# KiCad board panel.kicad_pcb (continued)
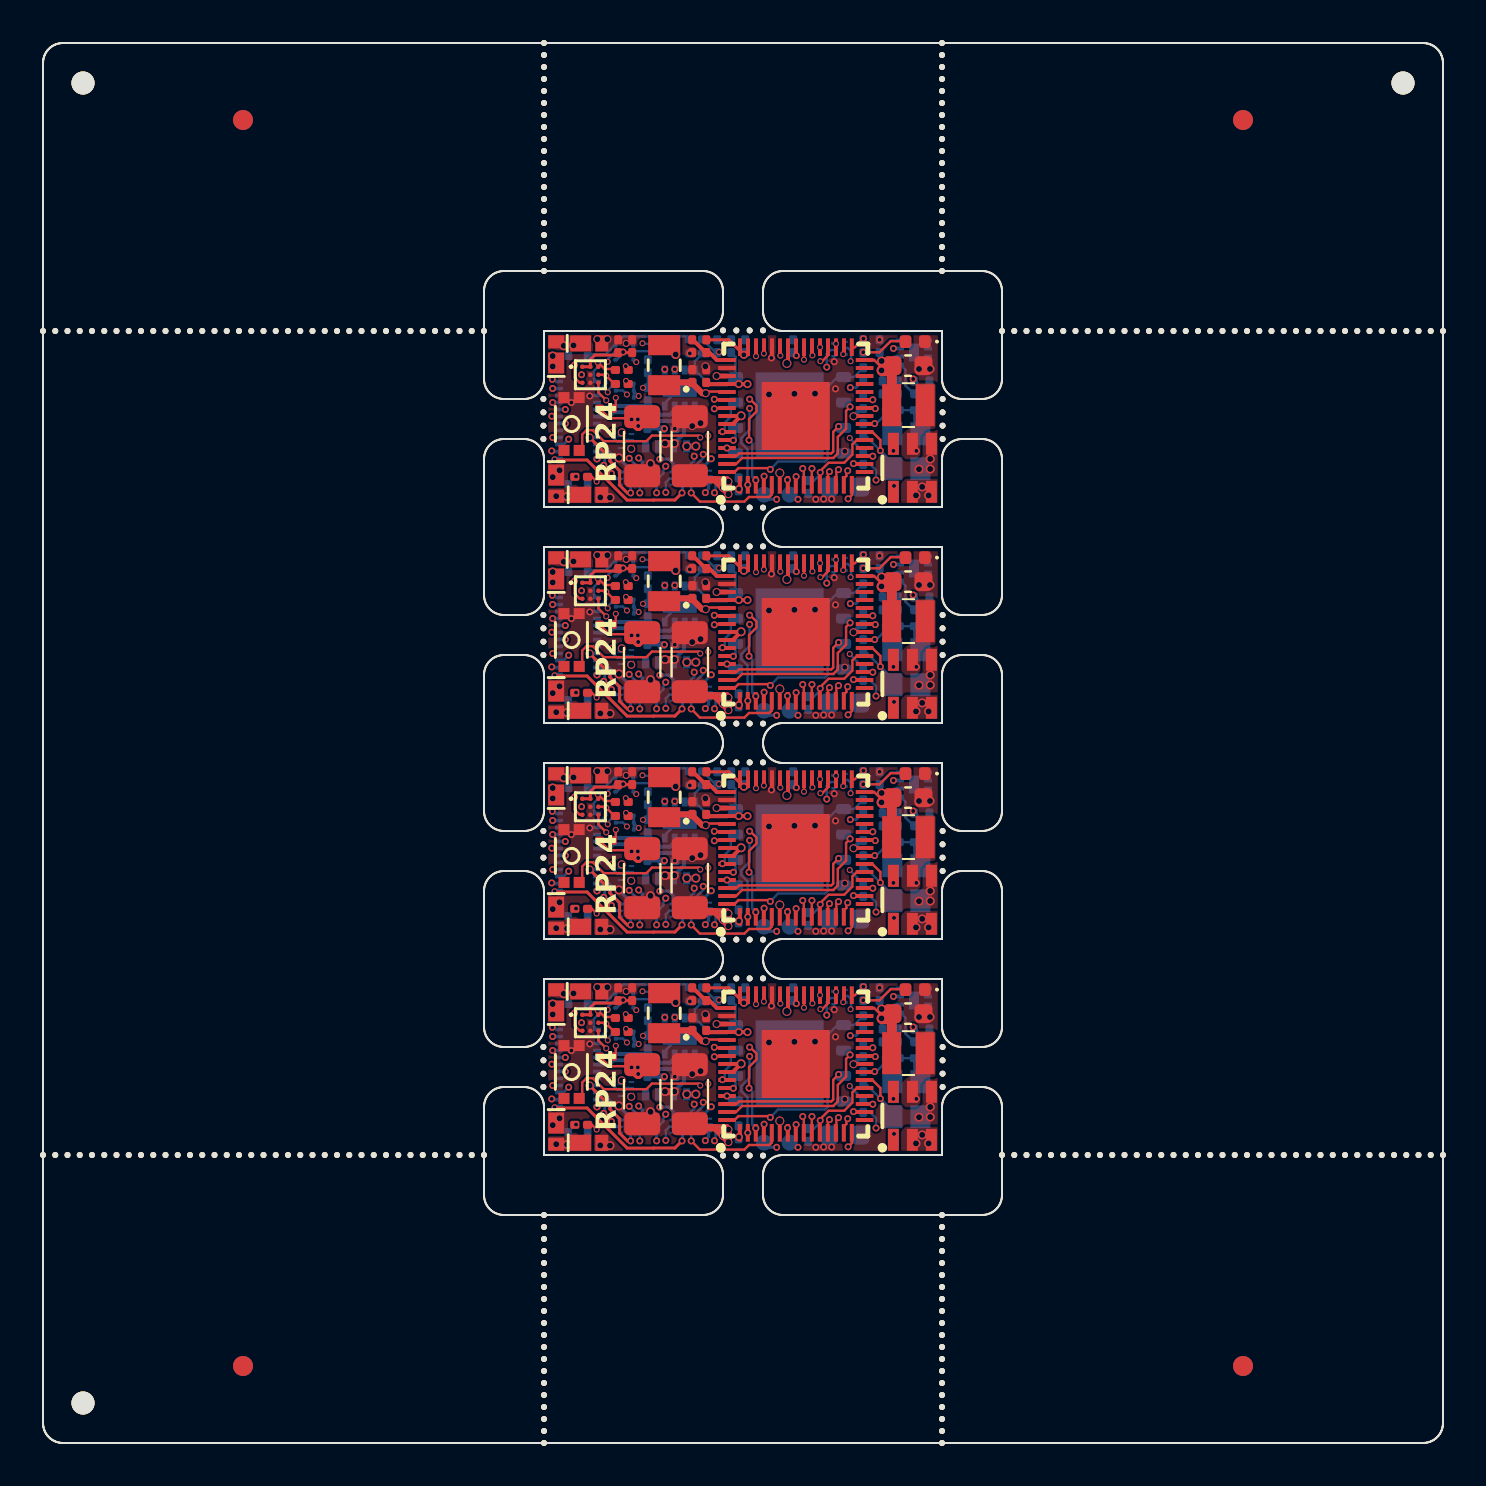
[diagram p0: board, top side]
## Nets (continued)
Board_2-GND: C1.1 C2#4.2 C3#3.2 C5#3.2 C6#2.2 C7#2.2 C8.2 C9.2 C10#4.2 C11#2.2 C12#4.1 C13#4.2 C14#3.2 C15#2.2 C16#3.2 C21#4.2 C27.2 C28#2.2 C29#2.2 D1.2 D2#3.2 D7#4.1 J1#3.3 J1#3.22 Q1.1 Q1.4 Q3#2.1 Q3#2.4 Q4#4.1 Q4#4.4 Q5#2.1 Q5#2.4 Q6#2.1 Q6#2.4 Q8#4.1 R2.2 R4.2 R8#4.1 R12#2.1 R14#4.1 SW1#4.3 SW1#4.4 U1#2.4 U2.4 U3#2.4 U3#2.9 U4#2.41 U4#2.47 U4#2.61 U5#3.B2 U5#3.C2 U6.4 U6.9 Y1#3.2 Y1#3.4
Board_2-Net-(C3-Pad1): C3#3.1 R6#4.1 Y1#3.1
Board_2-Net-(D7-A): D7#4.2 R9.1
Board_2-Net-(Q1A-G1): Q1.2 R7#3.1 R8#4.2
Board_2-Net-(Q1B-G2): Q1.5 U1#2.7
Board_2-Net-(Q7A-B1): Q7.1 Q7.2 Q7.3 R17#3.1
Board_2-Net-(Q7B-B2): Q7.5 Q8#4.3 R18#2.1
Board_2-Net-(Q7B-E2): Q7.4 Q8#4.5 R19#4.2
Board_2-Net-(Q8A-B1): Q8#4.2 R17#3.2
Board_2-Net-(R5-Pad2): R5#2.2 SW1#4.2
Board_2-Net-(U2-BST): C4#2.1 U2.6
Board_2-Net-(U4-GPIO19): R9.2 U4#2.31
Board_2-Net-(U4-VREG_AVDD): C16#3.1 R15#4.1 U4#2.46
Board_2-Net-(U4-VREG_LX): L2#3.1 U4#2.48
Board_2-unconnected-(SW1-Pad1): SW1#4.1
Board_2-unconnected-(U1-EP-Pad9): U1#2.9
Board_2-unconnected-(U1-IN+1-Pad3): U1#2.3
Board_2-unconnected-(U1-IN−1-Pad2): U1#2.2
Board_2-unconnected-(U1-OUT1-Pad1): U1#2.1
Board_2-unconnected-(U4-GPIO12-Pad16): U4#2.16
Board_2-unconnected-(U4-GPIO15-Pad19): U4#2.19
Board_2-unconnected-(U4-GPIO16-Pad27): U4#2.27
Board_2-unconnected-(U4-GPIO17-Pad28): U4#2.28
Board_2-unconnected-(U4-GPIO18-Pad29): U4#2.29
Board_2-unconnected-(U4-RUN-Pad26): U4#2.26
Board_2-VDC: D3#3.1 D4#4.1 D5#3.2 J1#3.17 R1.1
Board_3-+1V1: C10#3.1 C11.1 L2#4.2 U4#3.6 U4#3.23 U4#3.39 U4#3.50
Board_3-+3.3V: C1#4.2 C5#2.1 C7.1 C8#4.1 C9#4.1 C12.2 C13#2.1 C14#2.1 C15#3.1 C27#4.1 C28#3.1 C29#4.1 J1#2.18 L1#3.2 Q8#2.4 R3#3.1 R15.2 R19#3.1 U1#4.8 U2#3.1 U3.8 U4#3.1 U4#3.11 U4#3.20 U4#3.30 U4#3.38 U4#3.44 U4#3.45 U4#3.49 U4#3.53 U4#3.54 U5#2.A1 U5#2.A2 U6#4.7 U6#4.8
Board_3-/ADC_EMF_A: R11#2.1 R12#4.2 U4#3.42
Board_3-/ADC_EMF_B: R13#3.1 R14#3.2 U4#3.43
Board_3-/AUX1 (VDC): J1#2.11 Q3#3.6
Board_3-/AUX2 (VDC): J1#2.12 Q3#3.3
Board_3-/AUX3: J1#2.21 U4#3.18
Board_3-/AUX4: J1#2.20 U4#3.17
Board_3-/AUX5 (VDC): J1#2.16 Q6.6
Board_3-/AUX6 (VDC): J1#2.15 Q5#4.6
Board_3-/AUX7 (VDC): J1#2.14 Q6.3
Board_3-/AUX8 (VDC): J1#2.13 Q5#4.3
Board_3-/AUX10: J1#2.19 U4#3.14
Board_3-/AUX11: J1#2.23 U4#3.2
Board_3-/AUX12: J1#2.24 U4#3.3
Board_3-/CAP+: D6#3.2 J1#2.8 Q2#3.1 Q2#3.4
Board_3-/CAP_ENABLE: Q1#2.3 Q2#3.2 Q2#3.5 U4#3.32
Board_3-/CAP_VDC: C2.1 C21#3.1 D5.1 D6#3.1 Q2#3.3 Q2#3.6 U2#3.2 U2#3.3 U6#4.1
Board_3-/COMP_N: R3#3.2 R4#2.1 U1#4.6
Board_3-/COMP_P: R1#2.2 R2#4.1 U1#4.5
Board_3-/GPIO2: Q6.2 U4#3.4
Board_3-/GPIO3: Q6.5 U4#3.5
Board_3-/GPIO4: Q5#4.5 U4#3.7
Board_3-/GPIO5: Q3#3.5 U4#3.8
Board_3-/GPIO6: Q4#3.5 U4#3.9
Board_3-/GPIO7: Q4#3.2 U4#3.10
Board_3-/GPIO8: Q3#3.2 U4#3.12
Board_3-/GPIO9: Q5#4.2 U4#3.13
Board_3-/GPIO21: Q1#2.6 U4#3.33
Board_3-/GPIO25: U4#3.37 U6#4.6
Board_3-/GPIO26: U4#3.40 U6#4.5
Board_3-/I2S_BCLK: U4#3.36 U5#2.C1
Board_3-/I2S_DIN: U4#3.35 U5#2.B1
Board_3-/I2S_LRCLK: U4#3.34 U5#2.C3
Board_3-/LAMP_FRONT: J1#2.9 Q4#3.3
Board_3-/LAMP_REAR: J1#2.10 Q4#3.6
Board_3-/MOTOR_A: J1#2.6 J1#2.7 R11#2.2 U6#4.2
Board_3-/MOTOR_B: J1#2.4 J1#2.5 R13#3.2 U6#4.3
Board_3-/QSPI_CS: R5#4.1 U3.1 U4#3.60
Board_3-/QSPI_SCLK: U3.6 U4#3.56
Board_3-/QSPI_SD0: U3.5 U4#3.57
Board_3-/QSPI_SD1: U3.2 U4#3.59
Board_3-/QSPI_SD2: U3.3 U4#3.58
Board_3-/QSPI_SD3: U3.7 U4#3.55
Board_3-/RC_TX: R18.2 U4#3.15
Board_3-/SPEAKER_N: J1#2.2 R16#2.1 U5#2.B3
Board_3-/SPEAKER_P: J1#2.1 R10#4.1 U5#2.A3
Board_3-/SWCLK: J3.1 U4#3.24
Board_3-/SWDIO: J2#3.1 U4#3.25
Board_3-/SWITCH: C4.2 L1#3.1 U2#3.5
Board_3-/TRACK_LEFT: D1#4.1 D3#2.2 J1#2.X1A J1#2.X1B Q8#2.6 R7#2.2
Board_3-/TRACK_RIGHT: D2#2.1 D4.2 J1#2.X2A J1#2.X2B Q7#4.6
Board_3-/USB_N: R16#2.2 U4#3.52
Board_3-/USB_P: R10#4.2 U4#3.51
Board_3-/XIN: C6#3.1 U4#3.21 Y1#2.3
Board_3-/XOUT: R6#3.2 U4#3.22
Board_3-GND: C1#4.1 C2.2 C3.2 C5#2.2 C6#3.2 C7.2 C8#4.2 C9#4.2 C10#3.2 C11.2 C12.1 C13#2.2 C14#2.2 C15#3.2 C16#2.2 C21#3.2 C27#4.2 C28#3.2 C29#4.2 D1#4.2 D2#2.2 D7.1 J1#2.3 J1#2.22 Q1#2.1 Q1#2.4 Q3#3.1 Q3#3.4 Q4#3.1 Q4#3.4 Q5#4.1 Q5#4.4 Q6.1 Q6.4 Q8#2.1 R2#4.2 R4#2.2 R8.1 R12#4.1 R14#3.1 SW1.3 SW1.4 U1#4.4 U2#3.4 U3.4 U3.9 U4#3.41 U4#3.47 U4#3.61 U5#2.B2 U5#2.C2 U6#4.4 U6#4.9 Y1#2.2 Y1#2.4
Board_3-Net-(C3-Pad1): C3.1 R6#3.1 Y1#2.1
Board_3-Net-(D7-A): D7.2 R9#4.1
Board_3-Net-(Q1A-G1): Q1#2.2 R7#2.1 R8.2
Board_3-Net-(Q1B-G2): Q1#2.5 U1#4.7
Board_3-Net-(Q7A-B1): Q7#4.1 Q7#4.2 Q7#4.3 R17#4.1
Board_3-Net-(Q7B-B2): Q7#4.5 Q8#2.3 R18.1
Board_3-Net-(Q7B-E2): Q7#4.4 Q8#2.5 R19#3.2
Board_3-Net-(Q8A-B1): Q8#2.2 R17#4.2
Board_3-Net-(R5-Pad2): R5#4.2 SW1.2
Board_3-Net-(U2-BST): C4.1 U2#3.6
Board_3-Net-(U4-GPIO19): R9#4.2 U4#3.31
Board_3-Net-(U4-VREG_AVDD): C16#2.1 R15.1 U4#3.46
Board_3-Net-(U4-VREG_LX): L2#4.1 U4#3.48
Board_3-unconnected-(SW1-Pad1): SW1.1
Board_3-unconnected-(U1-EP-Pad9): U1#4.9
Board_3-unconnected-(U1-IN+1-Pad3): U1#4.3
Board_3-unconnected-(U1-IN−1-Pad2): U1#4.2
Board_3-unconnected-(U1-OUT1-Pad1): U1#4.1
Board_3-unconnected-(U4-GPIO12-Pad16): U4#3.16
Board_3-unconnected-(U4-GPIO15-Pad19): U4#3.19
Board_3-unconnected-(U4-GPIO16-Pad27): U4#3.27
Board_3-unconnected-(U4-GPIO17-Pad28): U4#3.28
Board_3-unconnected-(U4-GPIO18-Pad29): U4#3.29
Board_3-unconnected-(U4-RUN-Pad26): U4#3.26
Board_3-VDC: D3#2.1 D4.1 D5.2 J1#2.17 R1#2.1

## Via types
v1: diameter 0.4, hole 0.3, Top to Bottom, 56 vias
v2: diameter 0.45, hole 0.35, Top to Bottom, 8 vias
v3: diameter 0.35, hole 0.2, Top to Bottom, 344 vias
v4: diameter 0.4, hole 0.25, Top to Bottom, 16 vias
v5: diameter 0.45, hole 0.3, Top to Bottom, 124 vias
v6: diameter 0.3, hole 0.2, Top to Bottom, 136 vias
v7: diameter 0.35, hole 0.25, Top to Bottom, 8 vias

## Routing (per net, layer and track width the routed paths; a pad name or vN(x,y) marks a point on that pad's centre or on a via; arc(x,y) is an arc through that point)
Board_0-+1V1: length 20.9
  Top w0.12: U4.50 34.18,52.57 33.22,52.57 v1(33.14,52.49)
  Top w0.2: U4.39 37.25,54.04 v2(37.19,53.98) ; L2#2.2 31.2,53.03 ; U4.23 40.58,51.35 40.57,51.34 v1(40.52,51.34)
  Top w0.3: v1(33.14,52.49) 32.96,52.49 32.46,52.99 C11#3.1 31.2,53.03
  In1.Cu w0.3: v2(36.84,48.5) 36.84,48.56 39.62,51.34 v1(40.52,51.34) ; v1(33.14,52.49) 33.31,52.66 33.67,52.66 34.76,53.75 36.96,53.75 37.19,53.98
  In2.Cu w0.2: v2(37.19,53.98) 37.19,53.98
  In2.Cu w0.3: v1(40.52,51.34) 40.8,51.61 40.8,52.95 40.48,53.27 37.97,53.27 37.25,53.98 v2(37.19,53.98)
  Bottom w0.2: v1(40.52,51.34) 40.91,51.72 C10#2.1
Board_0-+3.3V: length 30.9
  Top w0.12: v4(34.8,47.7) 34.8,47.87 U4.1 ; U4.30 41.56,54.15 41.93,53.78 v5(41.93,53.63) ; R19.1 28.31,51.24 29.88,51.24 C8#2.1 ; v4(35.04,54.41) 35.15,54.52 35.2,54.52 35.25,54.57 U4.44 ; U4.11 38.84,48.51 v3(38.86,48.53) 38.86,48.6 39.28,49.01 40.06,49.01 40.47,49.42 40.47,49.93 40.69,50.15 U4.20
  Top w0.15: U5.A1 U5.A2 27.37,54.18 27.59,54.4 28.63,54.4 C27#2.1 C28#4.1 ; 35.2,54.52 34.93,54.52 34.85,54.6 U4.45 ; v4(35.04,54.41) 34.29,55.16 R15#3.2
  Top w0.2: U4.54 34.49,50.95 v5(34.91,51.36) 34.89,51.35 U4.53 ; v4(35.23,52.95) v4(34.79,52.95) 34.79,52.95 U4.49 34.19,52.94 33.25,52.94 C12#2.2
  Top w0.3: 41.93,53.63 v5(41.93,53.63) 41.93,54.1 v5(41.93,54.1) 41.93,53.63
  Top w0.5: v6(29.76,50.85) v6(29.43,51.18) ; C7#3.1 42.47,53.63 42.44,53.59 ; v5(41.93,53.63) 41.96,53.59 42.44,53.59 ; 42.44,53.59 42.44,51.89
  Bottom w0.12: v5(41.93,53.63) 41.93,53.15 R3.1 ; U6#3.8 32.59,54.09 C29#3.1 ; U6#3.8 U6#3.7 ; U6#3.8 33.26,52.98 34.22,52.98 34.58,53.34 34.69,53.23 ; v4(34.8,47.7) 34.77,47.7 ; U3#4.8 34.63,54.3 C5.1 ; U1.8 42.41,55.12 41.83,54.54 C1#2.2 41.83,54.2 v5(41.93,54.1) ; v3(29,54.55) 28.89,54.43 28.89,54.37 28.68,54.16 Q8#3.4 ; C9#2.1 38.55,48.12 38.86,48.43 v3(38.86,48.53)
  Bottom w0.15: J1.18 25.81,50.99 26.1,50.99 v3(26.12,50.97)
  vias: v3(37.66,54.37) v3(42.55,47.85) v6(29.74,51.18)
Board_0-/ADC_EMF_A: length 8
  Top w0.12: v6(36.05,54.47) 36.05,54.48 U4.42
  In3.Cu w0.12: v3(31.07,50.72) 31.07,51.26 32.79,52.98 33.83,52.98 34.66,53.81 35.57,53.81 36.05,54.28 v6(36.05,54.47)
  Bottom w0.12: R12#3.2 30.25,50.69 R11.1 ; 31.07,50.72 v3(31.07,50.72)
Board_0-/ADC_EMF_B: length 7.8
  Top w0.12: v6(35.65,54.34) U4.43
  In3.Cu w0.12: v6(30,52.76) 32.24,52.76 32.95,53.46 33.27,53.46 33.85,54.04 35.35,54.04 v6(35.65,54.34)
  Bottom w0.12: R14#2.2 R13.1 v6(30,52.76)
Board_0-/AUX1 (VDC): length 3.9
  In1.Cu w0.15: v3(29.78,49.25) 29.78,49.2 29.43,48.84 28.08,48.84 v3(28.04,48.89)
  Bottom w0.15: 27.7,49.58 27.91,49.58 28.09,49.41 28.09,48.93 v3(28.04,48.89) ; v3(29.78,49.25) 29.97,49.07 29.97,48.65 30.06,48.55 Q3#4.6
Board_0-/AUX2 (VDC): length 4.6
  In1.Cu w0.15: v3(30.68,47.51) 30.13,48.06 28.24,48.06 27.61,48.69 27.61,49.11 v3(27.7,49.2)
  Bottom w0.15: v3(30.68,47.51) 30.68,47.51 Q3#4.3 ; v3(27.7,49.2) J1.12
Board_0-/AUX3: length 19.5
  Top w0.12: v3(41.49,49.34) 41.09,49.34 U4.18
  In4.Cu w0.12: 38.87,50.55 38.46,50.96 34.75,50.96 34.51,51.2 34.51,51.79 33.44,52.86 30.9,52.86 30.03,51.99 29.04,51.99 28.84,51.79 27.14,51.79 26.56,52.37 25.82,52.37 v3(25.48,52.03) ; 38.87,50.55 38.94,50.48 ; 38.87,50.55 39.49,49.93 39.88,49.93 40.23,49.93 40.83,49.34 v3(41.49,49.34)
  Bottom w0.12: v3(25.48,52.03) J1.21
Board_0-/AUX4: length 16.6
  Top w0.12: U4.17 40.55,48.95 v3(40.53,48.97)
  In4.Cu w0.12: v3(40.53,48.97) 40.25,49.24 39.85,49.24 38.37,50.73 34.62,50.73 34.21,51.14 33.25,51.14 33.25,51.14 33.03,51.37 31.75,51.37 31.39,51.73 29.1,51.73 28.94,51.56 26.23,51.56 v3(26.12,51.68)
  Bottom w0.12: v3(26.12,51.67) J1.20
Board_0-/AUX5 (VDC): length 10
  In4.Cu w0.15: v3(25.48,50.28) 25.76,50.55 27.06,50.55 27.43,50.92 29.22,50.92 29.73,50.41 30.08,50.41 30.93,49.56 31.25,49.56 31.83,48.98 33.18,48.98 v3(33.41,49.21)
  Bottom w0.15: Q6#4.6 32.8,48.6 v3(33.41,49.21)
Board_0-/AUX6 (VDC): length 6.9
  In4.Cu w0.15: v3(26.29,50.19) 26.59,49.89 29.05,49.89 29.25,50.09 29.94,50.09 v3(30.84,49.19)
  Bottom w0.15: J1.15 26.02,49.92 v3(26.29,50.19) ; Q5.6 31.5,48.99 31.29,49.2 30.99,49.2 30.98,49.19 v3(30.84,49.19)
Board_0-/AUX7 (VDC): length 9.5
  In4.Cu w0.15: v3(25.44,49.6) 25.91,49.6 26.36,49.15 27.15,49.15 28.31,47.99 32.64,47.99 v3(33.12,47.52)
  Bottom w0.15: Q6#4.3 33.28,47.73 33.12,47.56 v3(33.12,47.52) ; 25.8,49.58 25.46,49.58 v3(25.44,49.6)
Board_0-/AUX8 (VDC): length 8.3
  Top w0.15: v3(31.95,47.5) 31.6,47.15 30.53,47.15 30.53,47.15 29.21,47.15 27.2,49.15 25.61,49.15 v6(25.58,49.19)
  In1.Cu w0.15: 25.8,49.19 25.8,49.19 v6(25.58,49.19)
  Bottom w0.15: J1.13 25.76,49.19 v6(25.58,49.19) ; Q5.3 31.98,47.53 v3(31.95,47.5)
Board_0-/AUX10: length 17.6
  Top w0.12: v3(40.23,48.61) 40.17,48.55 40.17,48.35 40.04,48.22 U4.14
  In4.Cu w0.12: v3(40.23,48.61) 40.23,48.7 39.92,49.01 39.76,49.01 38.27,50.5 34.52,50.5 34.11,50.91 33.32,50.91 33,50.59 32.73,50.59 32.61,50.48 32.31,50.48 32.09,50.69 32.09,50.7 31.29,51.5 29.2,51.5 29.03,51.33 25.45,51.33 v3(25.44,51.34)
  Bottom w0.12: J1.19 25.46,51.33 v3(25.44,51.34)
Board_0-/AUX11: length 16
  In4.Cu w0.12: v3(25.48,52.72) 27.97,52.72 28.12,52.88 28.81,52.88 28.94,52.75 29.31,52.75 29.67,53.11 32.92,53.11 33.53,53.72 33.95,53.72 34.25,53.42 34.25,52.78 35.3,51.73 v3(35.33,51.73)
  Bottom w0.12: v3(35.33,51.73) 35.33,50.66 34.91,50.24 34.91,50 35.23,49.68 35.23,47.92 v3(35.24,47.91) ; v3(25.48,52.72) J1.23
Board_0-/AUX12: length 17.2
  Top w0.12: v3(35.3,50.14) 35.3,51.2 35.68,51.58 35.68,51.87 35.36,52.19 v3(35.33,52.19)
  In1.Cu w0.12: v3(35.64,48.14) 35.64,48.19
  In4.Cu w0.12: v3(25.47,53.18) 25.58,53.07 27.36,53.07 28.01,53.72 28.31,53.72 28.57,53.47 30.47,53.47 30.59,53.34 32.01,53.34 32.92,54.25 33.32,54.25 33.57,54 34.6,54 34.79,53.81 35.09,53.81 35.61,53.29 35.61,52.47 v3(35.33,52.19)
  Bottom w0.12: v3(35.64,48.14) 35.46,48.32 35.46,49.98 v3(35.3,50.14)
Board_0-/CAP_ENABLE: length 16.6
  Top w0.12: v6(40.01,54.44) 40.05,54.48 U4.32
  In1.Cu w0.12: v6(28.48,50.57) 28.48,50.47 28.78,50.17 30.72,50.17 30.93,50.37 32.51,50.37 32.76,50.63 33.12,50.63 33.26,50.49 v6(33.26,50.36)
  In3.Cu w0.12: 28.48,50.56 28.48,50.56 v6(28.48,50.57) ; v6(40.01,54.44) 40.01,52.6 39.55,52.14 39.55,52.14 38.38,50.97 33.87,50.97 v6(33.26,50.36) 33.26,50.35
  Bottom w0.12: Q2.2 29.2,50.15 29.1,50.05 Q2.5 28.73,50.05 28.55,50.23 28.55,50.5 v6(28.48,50.57)
Board_0-/CAP_VDC: length 11.8
  Top w0.35: 32.34,48.35 C21.1 ; C21.1 32.34,48.29 ; C21.1 32.35,48.37 32.55,48.16 ; C21.1 32.33,48.38 31.96,48.38 ; v1(34.27,48.07) 33.99,47.8 v1(33.99,47.76) ; v1(34.27,48.07) 34.27,47.44 v1(34.27,47.44) 34.27,47.49 v1(33.99,47.76) ; v1(34.27,48.07) 34.18,48.16 32.55,48.16 ; 32.55,48.16 33.59,48.16 v1(33.99,47.76) ; v5(31.1,49.97) 31.1,49.97 31.56,49.97 v5(31.56,49.98) ; 31.65,48.03 31.65,48.03
  In3.Cu w0.4: v1(29.41,49.71) 29.41,49.81 29.54,49.94 ; v5(31.56,49.98) 31.56,49.98 29.58,49.98 29.54,49.94 ; 29.54,49.94 29.53,49.94 v1(28.94,50.54)
  Bottom w0.12: v1(28.94,50.54) 28.91,50.51 28.91,50.47
  Bottom w0.2: D5#2.1 31.53,49.95 31.91,50.34 31.91,50.34 32.05,50.48 32.05,51.09 32.59,51.63 U6#3.1
  vias: v5(43.65,47.38) v5(43.96,47.8) v5(44.28,47.38)
Board_0-/COMP_N: length 2.6
  Bottom w0.12: 42.62,53.09 42.62,53.01 42.06,52.45 41.98,52.45 ; U1.6 42.59,54.33 42.46,54.2 42.46,53.38 R4#3.1
Board_0-/COMP_P: length 2.7
  Bottom w0.12: R1#3.2 R2#3.1 ; R1#3.2 43.53,52.46 43.12,52.86 43.12,53.66 42.85,53.92 U1.5 ; R1#3.2 43.42,52.46
Board_0-/GPIO2: length 4.6
  Top w0.12: v3(36.05,48.34) 36.04,48.33 U4.4
  In4.Cu w0.12: v3(36.05,48.34) 35.91,48.48 34.16,48.48 33.57,47.9 v3(33.57,47.51)
  Bottom w0.12: v3(33.57,47.51) 33.62,47.56 33.62,48.15 33.45,48.32 Q6#4.2
Board_0-/GPIO3: length 5.8
  Top w0.12: U4.5 36.44,47.43 36.31,47.3 35.3,47.3 35.07,47.07 32.85,47.07 v3(32.41,47.51)
  Bottom w0.12: Q6#4.5 32.54,48.22 32.41,48.09 v3(32.41,47.51)
Board_0-/GPIO4: length 8.3
  In3.Cu w0.12: v3(31.14,47.53) 31.48,47.87 33.52,47.87 34.16,48.51 35.7,48.51 36.22,49.03 36.87,49.03 37.3,48.6 37.3,48.23 v3(37.23,48.16)
  Bottom w0.12: v3(31.14,47.53) 31.14,48.03 31.33,48.22 Q5.5
Board_0-/GPIO5: length 10.1
  Top w0.12: v3(37.65,48.32) 37.64,48.31 U4.8
  In4.Cu w0.12: v3(37.65,48.32) 37.6,48.27 37.6,47.99 37.42,47.81 36.82,47.81 36.08,47.07 30.27,47.07 v3(29.84,47.51)
  Bottom w0.12: v3(29.84,47.51) 29.84,48.12 29.94,48.22 Q3#4.5
Board_0-/GPIO6: length 11.5
  Top w0.12: U4.9 38.04,48.67 v3(37.99,48.73)
  In4.Cu w0.12: v3(37.99,48.73) 37.69,49.03 36.22,49.03 35.91,48.72 34.06,48.72 33.58,48.24 28.66,48.24 v3(28.42,48.48)
  Bottom w0.12: Q4.5 28.68,48.22 v3(28.42,48.48)
Board_0-/GPIO7: length 12.4
  Top w0.12: v3(38.45,48.73) 38.44,48.72 U4.10 38.44,47.79 38.43,47.77
  In4.Cu w0.12: 38.43,48.75 38.43,48.93 38.1,49.26 36.13,49.26 35.81,48.95 33.96,48.95 33.49,48.47 30.07,48.47 v3(29.31,49.23)
  Bottom w0.12: v3(29.31,49.23) 29.72,48.82 29.72,48.4 29.64,48.32 Q4.2
Board_0-/GPIO8: length 10.4
  Top w0.12: v3(39.32,48.57) 39.24,48.49 U4.12
  In4.Cu w0.12: v3(31.14,48.84) 31.24,48.73 33.43,48.73 33.87,49.17 35.72,49.17 36.03,49.49 38.41,49.49 v3(39.32,48.57)
  Bottom w0.12: v3(31.14,48.84) 31.03,48.73 31.03,48.49 30.85,48.32 Q3#4.2
Board_0-/GPIO9: length 9.9
  Top w0.12: U4.13 39.67,47.94 39.67,48.56 v3(39.78,48.67)
  In4.Cu w0.12: v3(33.01,49.43) 33.13,49.56 33.56,49.56 33.71,49.41 35.62,49.41 35.93,49.72 38.73,49.72 v3(39.78,48.67)
  Bottom w0.12: Q5.2 32.14,48.32 32.36,48.54 32.36,48.6 33.01,49.25 v3(33.01,49.43)
Board_0-/GPIO21: length 0.1
  Bottom w0.12: v6(39.65,54.96) 39.64,54.97 39.58,54.97
Board_0-/GPIO25: length 8.1
  Top w0.12: v6(38.05,54.17) U4.37
  In4.Cu w0.12: 37.98,54.19 38,54.17 v6(38.05,54.17) 37.47,53.59 35.95,53.59 35.5,54.04 34.89,54.04 34.7,54.23 33.67,54.23 33.42,54.48 32.83,54.48 32.03,53.69 v3(31.59,53.69)
  Bottom w0.12: v3(31.59,53.69) U6#3.6
Board_0-/GPIO26: length 7.5
  Top w0.12: v6(36.86,54.37) 36.85,54.38 U4.40
  In4.Cu w0.12: v6(36.86,54.37) 36.86,54.3 36.29,54.87 31.52,54.87 31.09,54.44 v3(31.09,53.69)
  Bottom w0.12: v3(31.09,53.69) U6#3.5
Board_0-/I2S_BCLK: length 16
  Top w0.12: U4.36 38.45,54.4 v6(38.47,54.38) ; U5.C1 26.84,53.01 26.58,53.27 26.58,53.89 v3(26.58,53.9)
  In4.Cu w0.12: v3(26.58,53.9) 27.37,54.69 28.38,54.69 29.02,55.33 38.8,55.33 39.19,54.94 39.19,54.65 38.99,54.44 38.53,54.44 v6(38.47,54.38)
Board_0-/I2S_DIN: length 13.1
  Top w0.12: v3(26.93,53.41) 26.97,53.41 U5.B1
  In4.Cu w0.12: v3(26.93,53.41) 26.93,53.71 27.59,54.38 28.39,54.38 28.57,54.2 29.29,54.2 29.49,54.4 29.85,54.4 30.54,55.1 38.54,55.1 v6(38.85,54.79)
Board_0-/I2S_LRCLK: length 17.8
  Top w0.12: v6(38.87,54.09) 38.96,54.09 39.25,54.38 U4.34 ; v6(28.16,52.13) 27.77,52.53 U5.C3
  In3.Cu w0.12: v6(28.16,52.13) 27.38,52.91 27.38,54.17 28.03,54.82 28.37,54.82 28.88,55.33 38.8,55.33 39.21,54.92 39.21,54.43 v6(38.87,54.09)
Board_0-/LAMP_FRONT: length 4.6
  Top w0.15: v1(27.33,50.27) 28.34,49.27 28.34,49.1 28.83,48.61 28.83,47.89 29.22,47.51 v3(29.38,47.51)
  Bottom w0.15: v3(29.38,47.51) Q4.3 ; J1.9 v1(27.33,50.27)
Board_0-/LAMP_REAR: length 2
  Bottom w0.15: J1.10 27.93,49.92 28.37,49.49 28.37,49.06 28.88,48.55 Q4.6
Board_0-/MOTOR_A: length 5.1
  Bottom w0.2: U6#3.2 32.09,51.66 31.53,51.1 30.73,51.1 30.3,51.53 29.92,51.53 29.91,51.54 28.51,51.54 28.3,51.33 J1.6
Board_0-/MOTOR_B: length 4.8
  Bottom w0.12: 30.43,51.84 30.24,52.03 R13.2
  Bottom w0.2: J1.5 27.8,51.77 28.31,51.77 28.39,51.85 30.04,51.85 30.05,51.84 30.43,51.84 30.86,51.41 31.34,51.41 31.59,51.66 U6#3.3
Board_0-/QSPI_CS: length 11.1
  Top w0.12: v3(36.36,48.68) 36.3,48.74 34.77,48.74 34.58,48.55 U4.60
  Bottom w0.12: R5#3.1 40.54,53.3 U3#4.1 39.72,53.3 39.23,52.8 39.23,49.2 39.1,49.07 36.75,49.07 v3(36.36,48.68)
Board_0-/QSPI_SCLK: length 0.7
  Bottom w0.12: v3(34.52,50.13) 34.63,50.25 U3#4.6
Board_0-/QSPI_SD0: length 0.5
  Bottom w0.12: U3#4.5 34.47,49.48 v3(34.2,49.75)
Board_0-/QSPI_SD1: length 9.1
  Top w0.12: v3(40.35,51.81) 40.15,51.61 40.15,50.71 39.74,50.3 39.74,49.47 39.52,49.25 34.95,49.25 34.65,48.95 U4.59 33.88,48.95
  Bottom w0.12: U3#4.2 40.14,52.02 v3(40.35,51.81)
Board_0-/QSPI_SD2: length 6.8
  Top w0.12: v3(39.78,50.83) 39.51,50.56 39.51,49.57 39.42,49.48 34.8,49.48 34.67,49.35 U4.58 ; 34.44,49.37 34.46,49.35
Board_0-/QSPI_SD3: length 1.7
  Bottom w0.12: v3(33.97,50.56) 34.09,50.68 34.09,51.01 34.39,51.31 34.39,51.78 U3#4.7
Board_0-/RC_TX: length 14.7
  Top w0.12: v6(27.68,48.07) 27.44,48.31 R18#3.2 ; U4.15 40.44,47.39 v3(40.26,47.21)
  In1.Cu w0.12: v3(40.26,47.21) 39.92,47.54 36.55,47.54 36.08,47.07 29.11,47.07 28.36,47.81 27.94,47.81 v6(27.68,48.07)
Board_0-/SPEAKER_N: length 2
  Top w0.12: U5.B3 28.11,53.41 v6(28.16,53.36) 28.58,52.95 R16#4.1
  Bottom w0.12: J1.2 27.91,52.73 28.16,52.97 v6(28.16,53.36)
Board_0-/SPEAKER_P: length 2.3
  Top w0.12: R10.1 28.57,53.7 28.09,53.7 27.77,54.02 v6(27.74,54.02) 27.77,53.99 U5.A3
  Bottom w0.12: 27.7,53.08 27.55,53.23 27.55,53.61 27.74,53.8 v6(27.74,54.02)
Board_0-/SWCLK: length 10
  Top w0.15: U4.24 41.58,51.75 v3(41.62,51.72)
  In4.Cu w0.15: v3(37.75,47.19) 37.91,47.19 38.62,47.9 40.66,47.9 41.41,48.65 42.66,48.65 43.14,49.13 43.14,50.3 41.72,51.72 v3(41.62,51.72)
Board_0-/SWDIO: length 12.1
  Top w0.15: v3(41.49,52.16) 41.48,52.15 U4.25
  In4.Cu w0.15: v3(41.49,52.16) 41.26,51.93 41.26,51.55 41.48,51.33 41.74,51.33 42.88,50.19 42.88,49.23 42.56,48.91 41.3,48.91 40.55,48.16 38.12,48.16 37.52,47.56 37.01,47.56 36.68,47.23 v3(36.68,47.18)
  Bottom w0.15: J2.1 36.29,47.18 v3(36.68,47.18)
Board_0-/SWITCH: length 3.9
  In1.Cu w0.12: v3(41.65,48.15) 43.11,49.6 v3(43.67,49.6)
  Bottom w0.12: v3(41.65,48.15) 41.65,48.63 41.36,48.93 C4#3.2
Board_0-/TRACK_LEFT: length 5.6
  Bottom w0.12: J1.X1A 27.33,54.44 28.13,54.44 28.55,54.86 Q8#3.6 28.62,54.93 29.02,55.33 32.19,55.33 R7#4.2
  vias: v5(26.04,54.86) v5(26.52,54.88)
Board_0-/TRACK_RIGHT: length 8.6
  In2.Cu w0.12: v5(25.66,47.34) 25.66,47.91 26.22,48.47 26.22,49.26 25.83,49.66 25.83,50.42 25.73,50.51 25.73,51.08 25.79,51.14 25.79,51.48 25.77,51.5 25.77,51.82 26.07,52.12 26.07,52.26 26.27,52.46 26.93,52.46 27.17,52.7 28.08,52.7 v6(28.24,52.54)
  Bottom w0.12: Q7#2.6 28.58,52.97 28.24,52.63 v6(28.24,52.54)
  Bottom w0.25: 26.27,47.94 J1.X2B
  vias: v5(26.2,47.32)
Board_0-/USB_N: length 5.7
  Top w0.12: v3(33.57,51.71) 33.61,51.75 U4.52
  In1.Cu w0.12: v6(29.15,53.11) 29.22,53.18 30.58,53.18 31.93,51.83 33.45,51.83 v3(33.57,51.71)
Board_0-/USB_P: length 5.9
  Top w0.12: v3(33.57,52.19) 33.6,52.15 U4.51
  In1.Cu w0.12: v3(33.57,52.19) 33.45,52.07 32.03,52.07 30.68,53.42 29.56,53.42 v6(29.14,53.84)
Board_0-/XIN: length 3.7
  Top w0.12: U4.21 41.47,50.55 41.87,50.15 v3(41.87,49.62)
  Bottom w0.12: 42.28,48.77 42.28,49.21 v3(41.87,49.62) 41.16,50.33 C6#4.1
Board_0-/XOUT: length 1.5
  Top w0.12: v3(41.58,50.97) 41.56,50.95 U4.22
  Bottom w0.12: v3(41.58,50.97) 41.66,50.97 42.17,51.48 R6#2.2
Board_0-GND: length 7.8
  Top w0.12: 36.46,54.82 36.45,54.81 U4.41 36.45,54.28 v3(36.42,54.25)
  Bottom w0.12: 39.91,49.37 U3#4.4 40.09,49.55 v7(40.09,49.59) ; Q5.1 32.05,48.62 32.56,49.13 v3(32.56,49.34) ; J1.22 26.07,52.38 v3(26.42,52.02) ; 31.16,52.08 31.17,52.08 U6#3.9 ; U6#3.9 31.84,52.82 32.16,53.14 32.55,53.14 32.57,53.12 ; U6#3.9 32.2,52.75 32.43,52.51 ; v3(39.56,54.06) 39.55,54.08 Q1#4.4 ; 44.26,53.94 U1.4 44.24,53.92 ; Q8#3.1 29.4,54.98 v7(29.16,54.98) ; R14#2.1 30.32,54.16 30.35,54.12 ; v3(31.59,50.72) R12#3.1
  Bottom w0.15: Q3#4.1 30.68,48.62 30.38,48.92 v5(30.38,48.96) ; Q4.1 28.8,49.23 v5(28.8,49.25) ; J1.3 27.36,52.38 v3(27.34,52.35)
  vias: v1(27.72,55.19) v1(28.22,55.19) v1(32.46,50.85) v1(32.88,51) v1(33.12,53.83) v3(32.34,54.48) v3(38.64,47.19) v3(39.03,47.2) v3(39.43,47.2) v3(39.62,52.71) v3(41.83,55.16) v5(27.87,47.28) v5(28.35,47.27) v5(36.3,52.43) v5(37.57,52.46) v5(38.6,52.47) v5(43.8,53.7) v5(43.8,48.69) v5(44.35,53.7) v5(44.36,49.2) v5(44.36,48.7)
Board_0-Net-(C3-Pad1): length 2.1
  Bottom w0.12: R6#2.1 C3#2.1 43.57,50.77 Y1#4.1
Board_0-Net-(D7-A): length 2.4
  Top w0.12: v3(41.01,54.54) 41.83,54.54 42.38,55.09 43.1,55.09 D7#3.2
Board_0-Net-(Q1A-G1): length 9.8
  In2.Cu w0.12: v6(33.8,54.55) 34.58,55.33 39.78,55.33 40.38,54.73 v6(40.38,54.09)
  Bottom w0.12: Q1#4.2 40.24,54.75 40.4,54.59 40.4,54.11 v6(40.38,54.09) ; R7#4.1 33.64,54.52 R8#3.2 33.77,54.52 v6(33.8,54.55)
Board_0-Net-(Q1B-G2): length 5.2
  In4.Cu w0.12: v3(42.52,54.73) 41.99,54.73 40.98,53.72 39.92,53.72 39.92,53.72 39.27,53.72 v3(39.19,53.79)
  Bottom w0.12: Q1#4.5 39.38,54.65 39.19,54.46 v3(39.19,53.79) ; v3(42.52,54.73) 42.6,54.73 42.6,54.73 U1.7
Board_0-Net-(Q7A-B1): length 5
  In2.Cu w0.12: v6(29.97,54.99) 29.98,54.98 29.98,53.91 29.53,53.46 29.53,52.6 v6(29.78,52.35)
  Bottom w0.12: Q7#2.1 29.54,52.59 v6(29.78,52.35) ; R17.1 30,54.96 v6(29.97,54.99) ; Q7#2.2 Q7#2.3
Board_0-Net-(Q7B-B2): length 10
  Top w0.12: v6(26.65,48.32) 26.64,48.31 R18#3.1
  In1.Cu w0.12: v6(26.65,48.32) 26.65,48.84 25.83,49.66 25.83,50.42 25.76,50.48 25.76,51.11 25.97,51.32 28.29,51.32 29.2,52.23 v6(29.2,52.43)
  In3.Cu w0.12: v6(29.2,52.43) 29.51,52.74 29.51,53.89 v6(29.66,54.04)
  Bottom w0.12: Q8#3.3 29.64,54.04 v6(29.66,54.04) ; v6(29.2,52.43) 29,52.62 Q7#2.5
Board_0-Net-(Q7B-E2): length 3.2
  Top w0.12: R19.2 28.64,51.89 v6(28.64,52.26)
  In3.Cu w0.12: v6(28.64,52.26) 28.64,53.66 v6(28.24,54.06)
  Bottom w0.12: v6(28.24,54.06) 28.24,54.19 28.56,54.51 Q8#3.5 ; v6(28.64,52.26) Q7#2.4
Board_0-Net-(Q8A-B1): length 2.2
  Bottom w0.12: Q8#3.2 29.6,54.59 31.21,54.59 R17.2
Board_0-Net-(R5-Pad2): length 16.8
  Top w0.12: SW1#3.2 26.96,49.78 26.96,50.43 27.18,50.65 27.49,50.65 28.04,50.09 30.17,50.09 30.45,50.37 32.77,50.37 v6(32.86,50.27)